# Altium PCB LAB_B3_209_V1.PcbDoc (part 2 of 4)
Units mm, origin at the board's own origin, x right, y up, seen from the top; angles counter-clockwise.
Board outline 104.65 x 97.92 mm, 6 copper layers (L1-SIG, L2-GND, L3-VCC, L4-SIG, L5-GND, L6-SIG), stack 0.63 mm thick; 372 components, 284 nets, 1235 pads, 998 vias.
Unrouted connection lines stored in the file: 2.
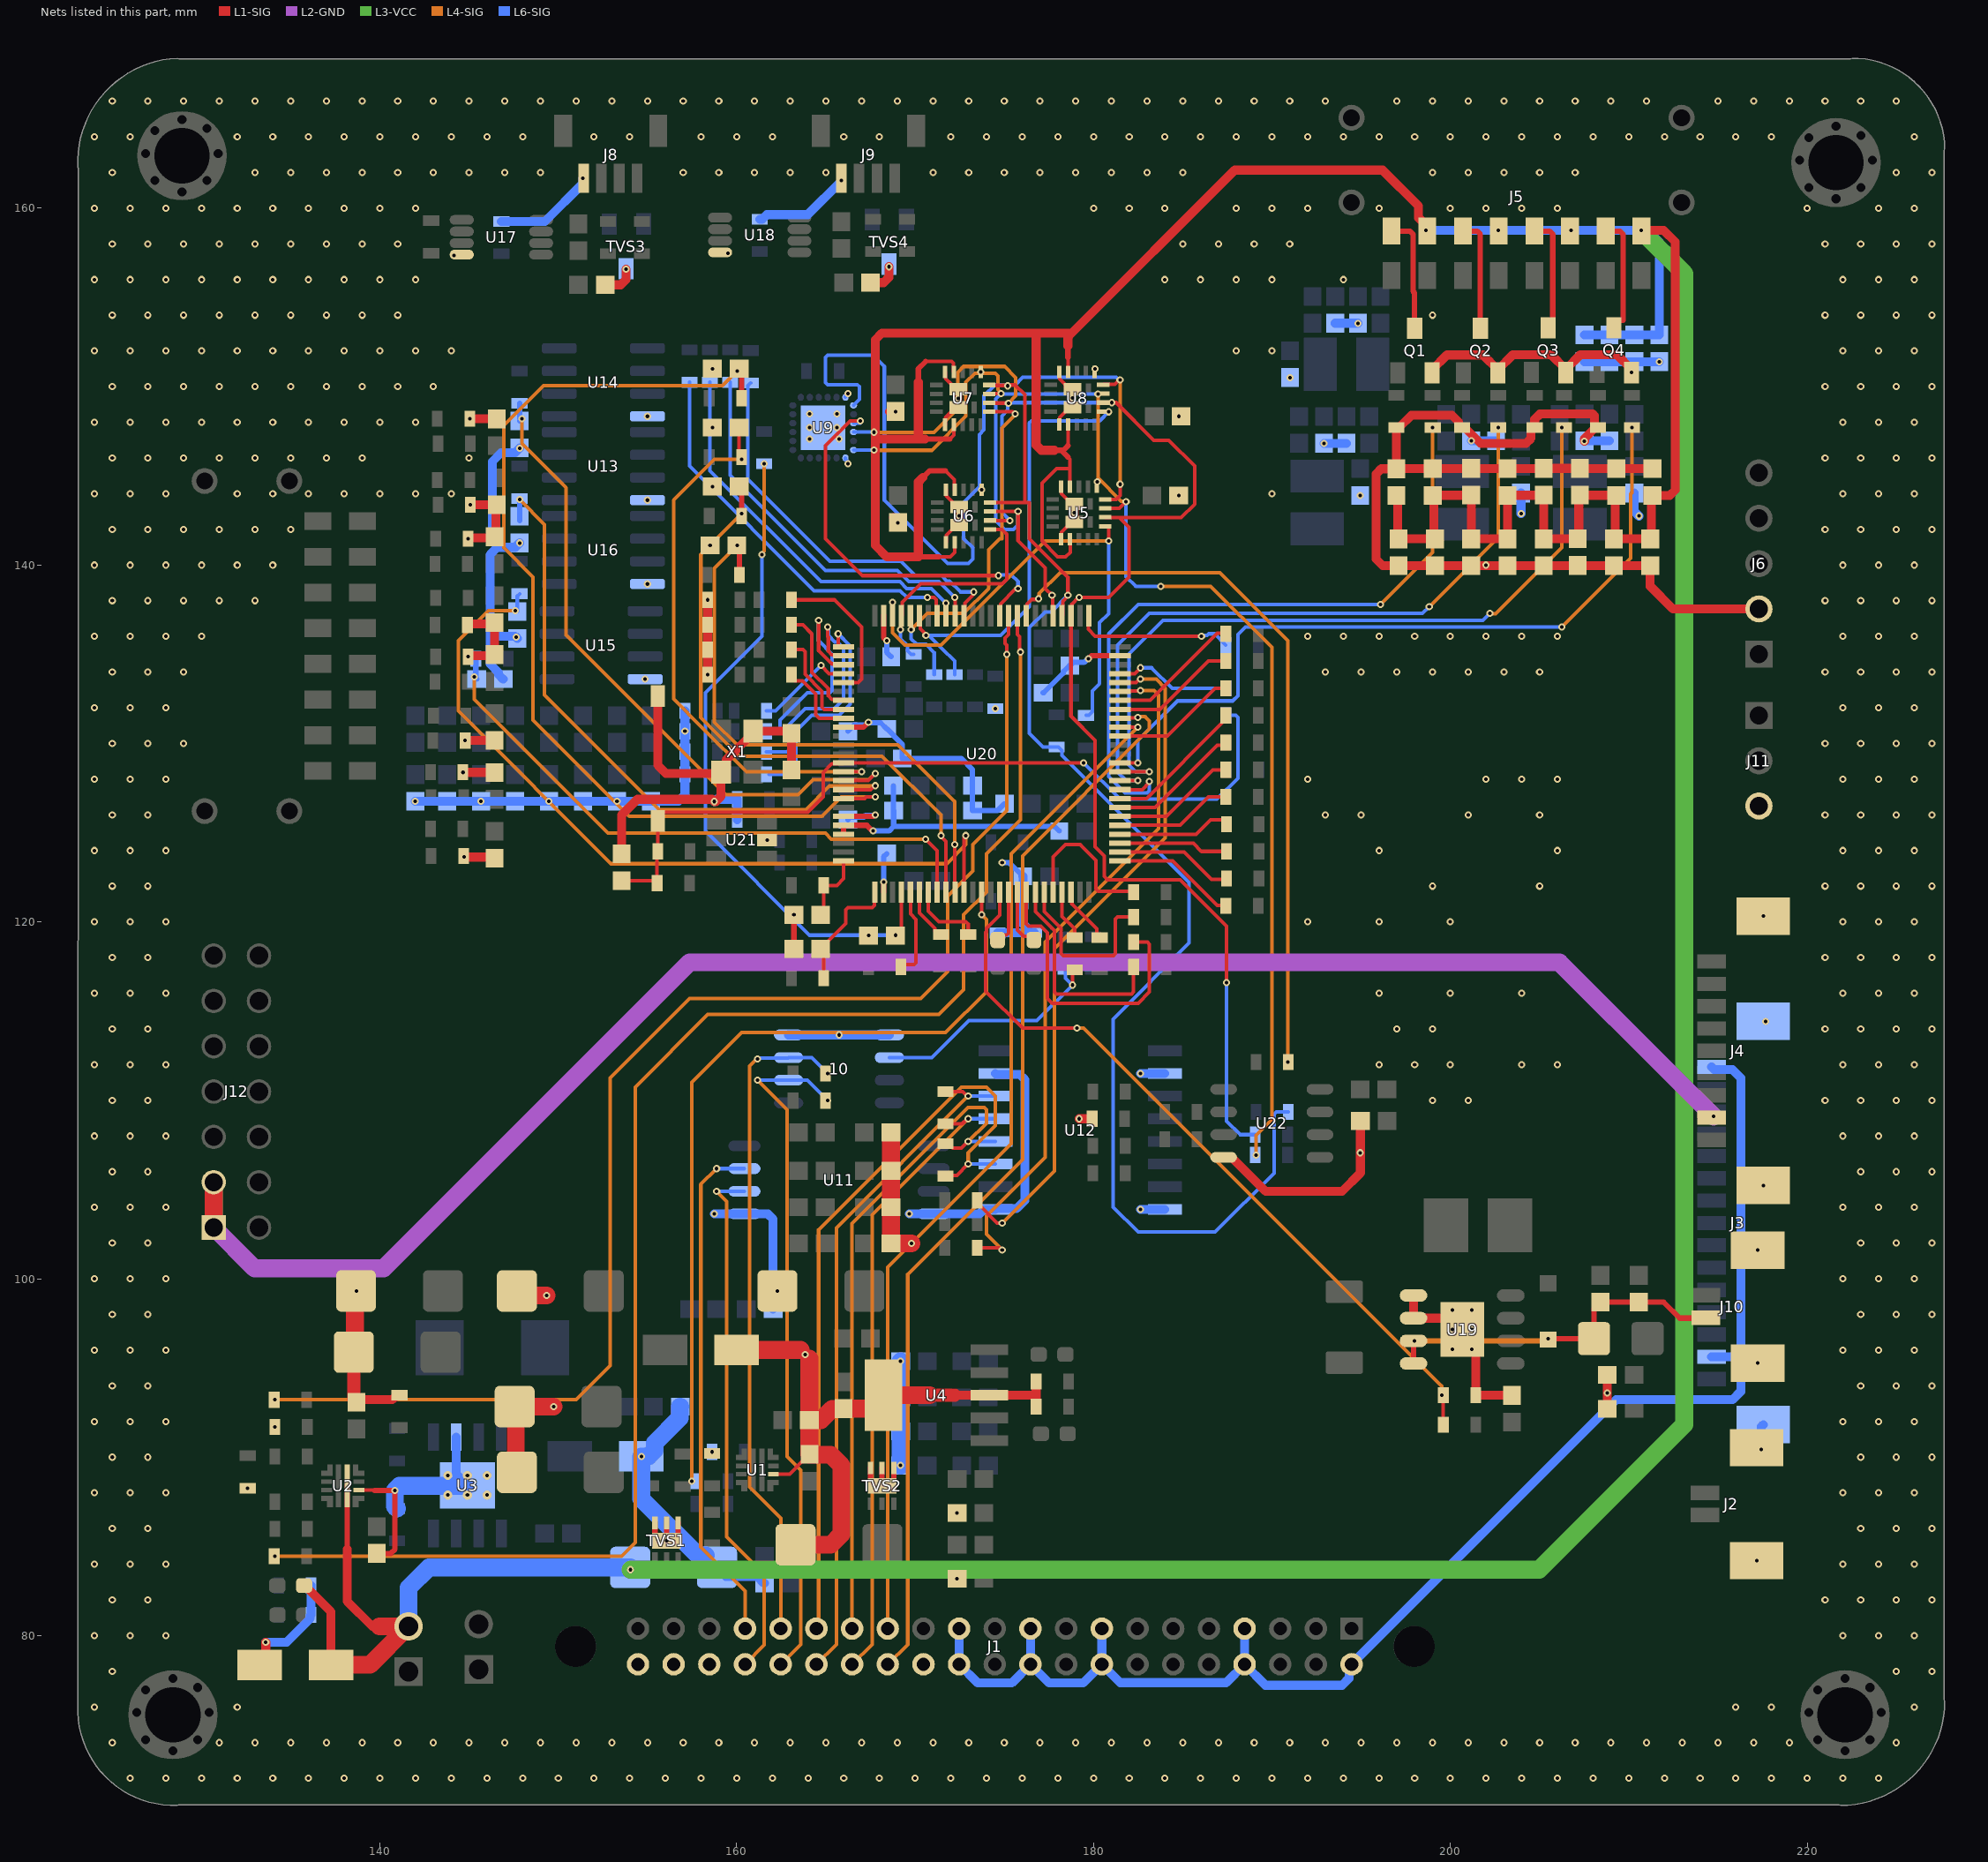
[diagram p6: the nets of this part, all layers, seen from the top]

## Via types
v1: diameter 0.4/0.4/0.4/0.4/0.4/0.4 (per signal layer), hole 0.2, L1-SIG to L6-SIG, tented both sides, 612 vias
v2: diameter 0.4, hole 0.2, L1-SIG to L6-SIG, tented both sides, 205 vias
v3: diameter 0.4, hole 0.2, L1-SIG to L2-GND, tented both sides, 46 vias
v4: diameter 0.4, hole 0.2, L5-GND to L6-SIG, tented both sides, 33 vias
v5: diameter 0.4, hole 0.2, L1-SIG to L4-SIG, tented both sides, 32 vias
v6: diameter 0.4, hole 0.2, L4-SIG to L6-SIG, tented both sides, 28 vias
v7: diameter 0.4, hole 0.2, L1-SIG to L3-VCC, tented both sides, 16 vias
v8: diameter 0.4, hole 0.2, L3-VCC to L6-SIG, tented both sides, 14 vias
v9: diameter 0.5, hole 0.2, L1-SIG to L6-SIG, tented both sides, 6 vias
v10: diameter 0.5, hole 0.2, L1-SIG to L2-GND, tented both sides, 6 vias

## Nets (pads, with @x,y where several pads share a name; then routed paths per layer and width w, separated by ;. In a path a pad name is that pad's centre, name@x,y a point inside that pad or via, vN(x,y) a via of type N, cw(c..) or ccw(c..) an arc to the next point about the centre after c; other vN are vias at no path point) (continued)
GND: 10.4 10.5 BT1.2 C1.2 C2.2 C3.1 C4.1 C8.2 C9.2 C10.1 C11.2 C12.2 C13.2 C14.1 C15.1 C17.2 C18.2 C20.1 C21.1 C22.2 C23.2 C24.2 C25.2 C26.2 C27.2 C28.2 C29.2 C30.1 C31.1 C32.1 C33.1 C37.2 C38.2 C42.1 C43.1 C44.1 C45.1 C46.2 C47.2 C48.2 C49.2 C50.2 C51.2 C52.2 C53.2 C54.1 C55.1 C56.1 C57.1 C61.2 C62.2 C66.1 C67.1 C68.1 C69.1 C70.2 C73.1 C74.1 C77.1 C78.1 C81.1 C82.1 C83.2 C84.2 C86.2 C88.2 C89.2 C90.2 C91.2 C92.2 C93.2 C96.2 C97.2 C98.2 C99.2 C100.2 C102.2 C104.2 C105.2 C106.2 C107.2 C108.2 C110.2 C112.2 C113.2 C114.2 C115.2 C116.2 C119.2 C120.2 C121.2 C122.2 C125.2 C128.2 C129.2 C130.2 C134.2 C135.2 C139.2 C140.2 C141.2 C142.2 C144.2 C145.2 C146.2 C148.2 C149.2 C150.2 C151.2 C152.2 C153.2 C154.2 C156.2 D1.1 D2.1 D3.1 J1.34 J1.40 J1.41 J1.42 J2.3 J2.4 J3.S1 J3.S2 J4.S1 J4.S2 J6.2 J8.1 J9.1 J10.3 J10.4 J11.3 Q1.2 Q2.2 Q3.2 Q4.2 R5.1 R6.2 R7.1 R10.1 R11.1 R16.1 R17.1 R18.1 R19.1 R20.1 R25.1 R26.1 R27.1 R28.1 R33.1 R34.1 R35.1 R36.1 R55.2 R62.1 R63.1 R64.1 R65.1 R70.2 R71.1 R76.1 R77.2 R82.2 R83.1 R88.1 R89.2 R98.1 R101.1 R104.1 R108.1 R109.1 R111.1 R112.2 R119.1 R138.2 TVS1.1 TVS1.2 TVS1.3 TVS1.7 TVS2.1 TVS2.2 TVS2.3 TVS2.7 TVS3.3 TVS4.3 U1.8 U2.8 U3.6 U3.9 U4.3 U4.6 U5.1 U5.5 U5.10 U5.21 U5.22 U6.1 U6.5 U6.10 U6.21 U6.22 U7.1 U7.5 U7.10 U7.21 U7.22 U8.1 U8.5 U8.10 U8.21 U8.22 U9.1 U9.18 U9.25 U11.4 U11.5 U12.2 U12.8 U12.9 U12.15 U13.4 U14.4 U15.4 U16.4 U17.4 U18.4 U19.1 U19.2 U19.9 U20.10 U20.20 U20.27 U20.74 U20.99 U21.2 U22.4 X1.2 X1.4 | length 406.2
  L1-SIG w0.2: U2.8@138.821,88.167 139.67,88.167 139.699,88.138 ; U1.8@162.058,89.056 162.97,89.056 163.647,89.733 163.683,89.733 C3.1@164.083,90.133 ; U7.10@171.671,147.865 171.696,147.89 171.696,148.261 172.267,148.832 U7.22@172.417,148.832 ; U7.5@171.671,150.815 171.696,150.79 171.696,150.461 172.017,150.14 172.017,150.098 172.267,149.848 U7.21@172.417,149.848 ; U6.10@171.72,141.273 171.745,141.298 171.745,141.669 172.316,142.24 U6.22@172.466,142.24 ; U6.5@171.72,144.223 171.745,144.198 171.745,143.869 172.066,143.548 172.066,143.506 172.316,143.256 U6.21@172.466,143.256 ; U8.10@178.07,147.877 178.095,147.902 178.095,148.273 178.666,148.844 U8.22@178.816,148.844 v3(178.816,149.352) 178.816,149.606 178.435,149.987 178.435,150.091 178.416,150.11 178.095,150.431 178.095,150.802 U8.5@178.07,150.827 ; U5.10@178.181,141.449 178.206,141.474 178.206,141.845 178.777,142.416 U5.22@178.927,142.416 ; U5.5@178.181,144.399 178.206,144.374 178.206,144.003 178.777,143.432 U5.21@178.927,143.432
  L1-SIG w0.3: 139.699,88.138 v2(140.842,88.138) 140.842,84.836 140.612,84.606 C14.1@139.826,84.606 ; C9.2@147.551,92.837 C9.2@147.615,92.773 ; C1.2@147.615,89.218 C1.2@147.678,89.154 ; TVS1.3@155.417,86.318 155.417,85.618 155.691,85.344 TVS1.7@156.067,85.344 ; v3(156.067,85.323) TVS1.7@156.067,85.344 ; TVS1.2@156.067,86.521 TVS1.2@156.067,86.318 TVS1.7@156.067,85.344 ; TVS1.1@156.717,86.318 156.717,85.618 156.443,85.344 TVS1.7@156.067,85.344 ; C151.2@162.946,130.69 C151.2@163.068,130.568 ; C152.2@163.207,118.491 v3(163.207,120.396) ; C3.1@164.071,90.17 C3.1@164.083,90.158 ; U20.20@165.986,125.913 167.658,125.913 167.74,125.995 v2(167.767,125.995) ; U20.10@165.986,130.913 167.108,130.913 v2(167.386,131.191) ; TVS2.3@167.497,89.387 167.497,88.687 TVS2.7@167.792,88.392 ; TVS2.2@168.147,89.387 TVS2.7@168.147,88.392 168.502,88.392 168.797,88.687 TVS2.1@168.797,89.387 ; U20.27@168.236,121.663 v2(168.236,122.231) ; U20.99@168.236,137.163 168.236,135.929 v2(168.402,135.763) ; v2(179.705,134.747) 179.732,134.747 179.898,134.913 U20.74@181.486,134.913
  L1-SIG w0.4: U18.4@159.036,157.492 U18.4@159.065,157.521
  L1-SIG w0.5: D3.1@133.255,78.359 133.604,78.708 v2(133.604,79.629) ; C15.1@138.683,93.079 138.826,93.222 140.696,93.222 140.946,93.472 R19.1@141.096,93.472 ; R71.1@144.653,128.385 v3(144.659,128.379) 146.425,128.379 C89.2@146.431,128.373 ; R82.2@144.691,123.686 144.691,123.679 144.741,123.629 146.373,123.629 C105.2@146.431,123.571 ; v3(144.78,130.163) 144.786,130.169 146.425,130.169 C113.2@146.431,130.175 ; R83.1@144.907,136.64 144.907,136.66 144.957,136.71 146.361,136.71 C107.2@146.431,136.779 C97.2@146.431,134.977 146.374,134.92 144.995,134.92 144.945,134.87 v3(144.945,134.862) ; v3(144.945,141.466) 144.945,141.474 144.995,141.524 146.374,141.524 C90.2@146.431,141.581 146.494,141.644 146.494,143.32 146.437,143.377 145.078,143.377 v3(145.072,143.371) ; R76.1@145.034,148.197 v3(145.04,148.191) 146.552,148.191 C99.2@146.558,148.185 ; C120.2@152.63,155.702 153.504,155.702 153.797,155.995 v2(153.797,156.591) ; C149.2@153.543,123.813 153.543,125.984 154.432,126.873 158.623,126.873 v2(158.75,126.746) 158.827,126.746 159.12,127.039 X1.4@159.12,128.39 ; BT1.2@155.575,132.659 155.575,128.778 156.037,128.316 159.046,128.316 X1.4@159.12,128.39 ; v3(158.369,133.858) R34.1@158.369,135.255 R26.1@158.369,136.652 v3(158.369,138.049) ; C151.2@162.946,130.69 X1.2@160.92,130.69 160.92,130.59 159.42,129.09 159.42,128.69 X1.4@159.12,128.39 ; C150.2@163.068,128.512 C151.2@163.068,130.568 ; C119.2@167.501,155.829 168.236,155.829 168.529,156.122 v2(168.529,156.718) ; TVS2.7@167.792,88.392 TVS2.7@168.147,88.392 ; C68.1@168.568,148.59 v3(168.898,148.59) C68.1@168.91,148.602 ; C45.1@168.787,142.666 169.037,142.416 C45.1@169.037,142.391 ; 172.212,93.472 U4.3@174.171,93.472 176.72,93.472 176.784,93.535 ; U7.22@172.417,148.832 v3(172.417,149.34) U7.21@172.417,149.848 ; U6.22@172.466,142.24 U6.21@172.466,143.256 ; R10.1@176.784,92.837 176.784,93.535 ; R20.1@176.784,94.234 176.784,93.535 ; U5.22@178.927,142.416 v3(178.927,142.924) U5.21@178.927,143.432 ; v3(179.197,108.966) R55.2@179.921,108.966 ; U22.4@187.292,106.807 187.742,106.807 189.647,104.902 193.929,104.902 194.957,105.93 194.957,107.049 v3(194.945,107.061) 194.957,107.073 C156.2@194.957,108.839 ; U19.1@197.935,99.06 U19.2@197.935,97.79 199.685,97.79 200.11,98.215 v10(200.11,98.255) ; Q1.2@198.978,150.769 198.978,150.944 199.809,151.774 201.831,151.774 Q2.2@202.661,150.944 ; v10(201.21,96.055) 201.247,96.055 201.422,95.88 R104.1@201.422,93.472 201.428,93.466 203.448,93.466 C125.2@203.454,93.46 ; Q2.2@202.661,150.769 Q2.2@202.661,150.944 ; Q3.2@206.466,150.789 Q3.2@206.466,150.964 ; v2(207.518,146.939) 207.518,147.089 R65.1@208.13,147.701 ; R65.1@208.28,147.701 R65.1@208.13,147.701 ; C154.2@208.8,92.71 C121.2@208.8,94.615 ; v3(210.149,150.789) 210.149,150.964 209.319,151.794 207.297,151.794 Q3.2@206.466,150.964 ; C25.2@211.328,145.403 C49.2@209.296,145.403 209.29,145.409 207.27,145.409 C48.2@207.264,145.415 C24.2@205.232,145.415 205.226,145.409 203.206,145.409 C47.2@203.2,145.403 203.194,145.409 201.174,145.409 C46.2@201.168,145.415 201.162,145.409 199.015,145.409 C53.2@199.009,145.403 199.003,145.397 196.983,145.397 C23.2@196.977,145.391 ; J6.2@217.297,137.541 212.471,137.541 211.201,138.811 C27.2@211.201,139.966 C26.2@209.169,139.966 209.163,139.972 207.143,139.972 C28.2@207.137,139.978 207.131,139.972 205.238,139.972 C29.2@205.232,139.966 C51.2@203.2,139.966 C52.2@201.168,139.966 C50.2@199.136,139.966 C22.2@197.104,139.966 196.203,139.966 195.834,140.335 195.834,145.098 196.127,145.391 C23.2@196.977,145.391 ; C23.2@196.977,145.391 R62.1@196.977,147.701 197.127,147.701 197.827,148.401 200.087,148.401 200.46,148.028 200.46,147.751 200.51,147.701 R63.1@200.66,147.701 200.81,147.701 201.699,146.812 204.231,146.812 204.524,147.105 204.524,147.651 204.574,147.701 R64.1@204.724,147.701 204.724,148.17 205.017,148.463 207.987,148.463 208.08,148.37 208.08,147.751 R65.1@208.13,147.701 ; Q2.2@202.661,150.944 203.512,151.794 205.636,151.794 Q3.2@206.466,150.964
  L1-SIG w0.75: C12.2@138.535,95.885 138.535,93.252 138.683,93.104 C15.1@138.683,93.079 ; 170.815,93.472 172.212,93.472
  L1-SIG w1: C12.2@138.599,95.949 138.599,99.251 C17.2@138.662,99.314 ; C2.2@147.424,99.06 v3(149.351,99.06) ; C9.2@147.551,92.837 v3(149.732,92.837) ; C1.2@147.615,89.218 C9.2@147.615,92.773 ; D1.1@159.987,96.012 163.576,96.012 ; C8.2@163.299,85.09 165.275,85.09 165.861,85.676 165.861,89.547 165.275,90.133 164.083,90.133 C3.1@164.083,90.158 ; C3.1@164.071,90.17 C4.1@164.071,92.075 ; 164.071,95.517 C4.1@164.071,92.075 ; C81.1@168.644,108.204 C77.1@168.644,106.045 C82.1@168.644,104.013 C78.1@168.644,101.981 v3(169.799,101.981) ; 170.815,93.472 U4.6@168.221,93.472 168.221,93.272 167.671,92.722 C21.1@165.989,92.722 165.989,92.697 165.341,92.697 164.719,92.075 C4.1@164.071,92.075
  L6-SIG w0.2: U9.1@166.096,146.001 166.096,145.935 166.205,145.827 166.205,145.707 v4(166.243,145.669) ; U9.18@166.096,149.401 166.096,149.442 166.243,149.589 v4(166.243,149.606)
  L6-SIG w0.3: U3.9@144.873,88.392 U3.9@144.906,88.425 ; C144.2@166.231,125.73 166.383,125.882 167.115,125.882 167.121,125.876 167.221,125.976 167.748,125.976 v2(167.767,125.995) ; C148.2@166.231,130.683 166.581,131.033 167.201,131.033 167.359,131.191 v2(167.386,131.191) 167.413,131.191 167.444,131.16 168.064,131.16 C145.2@168.414,130.81 168.439,130.81 168.789,130.46 168.789,130.435 169.279,129.945 C128.2@169.279,129.159 172.593,129.159 173.216,128.536 C142.2@173.216,127.635 C141.2@173.216,126.238 ; v2(168.236,122.231) 168.236,123.647 C129.2@168.414,123.825 ; v2(168.402,135.763) 168.402,135.116 C146.2@168.656,134.862 ; C141.2@173.241,126.238 174.612,126.238 174.993,126.619 C140.2@175.018,126.619 ; v4(174.879,123.317) 175.272,123.317 C135.2@176.034,122.555 ; C134.2@177.177,132.842 177.202,132.842 178.302,133.942 178.302,134.016 178.652,134.366 C130.2@178.677,134.366 178.856,134.545 179.476,134.545 179.678,134.747 v2(179.705,134.747)
  L6-SIG w0.5: v2(133.604,79.629) 134.77,79.629 136.094,80.953 136.094,81.103 R5.1@136.144,81.153 R16.1@136.144,82.804 ; v4(141.986,126.758) C86.2@143.764,126.758 v4(145.669,126.758) C93.2@147.574,126.758 v4(149.479,126.758) C102.2@151.384,126.758 v4(153.289,126.758) C112.2@155.194,126.758 156.73,126.758 157.099,127.127 R33.1@157.099,128.27 R35.1@157.099,129.54 v4(157.099,130.683) R27.1@157.099,131.826 ; U3.6@144.271,91.125 144.271,89.06 U3.9@144.906,88.425 ; 146.685,141.224 146.304,141.605 146.304,145.796 146.803,146.295 147.578,146.295 v4(147.828,146.545) C98.2@147.828,146.57 ; R98.1@146.812,159.258 149.248,159.258 151.384,161.394 v2(151.384,161.671) ; C106.2@146.927,133.604 146.902,133.604 146.652,133.854 146.652,133.972 146.177,134.447 146.177,136.525 ; C116.2@147.701,135.89 147.574,136.017 146.685,136.017 146.177,136.525 ; v4(147.828,141.236) 147.582,140.99 146.578,140.99 146.177,140.589 146.177,136.525 ; C13.2@158.278,84.48 158.278,84.419 159.385,83.312 161.15,83.312 161.531,82.931 C74.1@161.556,82.931 ; v4(158.75,103.632) U11.5@160.435,103.632 161.747,103.632 162.04,103.339 C73.1@162.04,98.298 ; v2(158.75,126.746) 158.877,126.873 R109.1@160.02,126.873 ; R108.1@160.02,125.73 R109.1@160.02,126.723 ; R101.1@161.29,159.385 161.44,159.385 161.694,159.639 163.98,159.639 165.862,161.521 v2(165.862,161.544) ; 10.4@162.91,113.665 10.5@168.56,113.665 ; C37.2@169.176,89.535 C37.2@169.182,89.541 ; v4(169.672,103.632) U11.4@171.035,103.632 173.594,103.632 173.848,103.886 U12.9@174.498,103.886 174.548,103.936 175.691,103.936 176.149,104.394 176.149,111.163 175.856,111.456 174.548,111.456 U12.15@174.498,111.506 ; R111.1@174.625,119.38 174.644,119.399 176.638,119.399 R112.2@176.657,119.418 176.507,119.418 176.06,119.865 R138.2@176.06,121.158 176.047,121.171 176.047,122.542 C135.2@176.034,122.555 ; v4(182.626,103.886) U12.8@183.998,103.886 ; v4(182.626,111.506) U12.2@183.998,111.506 ; v2(192.913,146.812) C30.1@192.913,146.824 C31.1@194.183,146.824 ; C57.1@193.548,153.555 C56.1@194.818,153.555 ; v4(201.168,146.963) C32.1@202.565,146.963 ; v2(203.962,142.875) C43.1@203.962,144.03 ; C54.1@207.518,146.963 C55.1@208.915,146.963 ; C84.2@207.518,151.396 C83.2@208.915,151.396 C139.2@210.312,151.396 v4(211.709,151.396) ; C66.1@210.312,144.03 210.312,143.002 v2(210.566,142.748) ; v2(217.424,90.424) 217.424,91.705 J3.S2@217.543,91.824
  L6-SIG w1: R11.1@140.969,87.122 140.842,87.249 v2(140.842,88.138) 141.096,88.392 U3.9@144.873,88.392 ; C10.1@156.832,92.837 156.807,92.837 156.807,92.197 155.403,90.793 155.403,90.393 155.053,90.043 v4(154.653,90.043) 154.653,87.662 157.835,84.48 C13.2@158.278,84.48 ; C37.2@169.176,89.535 v4(169.188,89.535) C38.2@169.188,91.44 C62.2@169.188,93.345 v4(169.188,95.377)
  other v1: 126,72 128,72 130,72 132,72 134,72 136,72 138,72 140,72 142,72 144,72 146,72 148,72 150,72 152,72 154,72 156,72 158,72 160,72 162,72 164,72 166,72 168,72 170,72 172,72 174,72 176,72 178,72 180,72 182,72 184,72 186,72 188,72 190,72 192,72 194,72 196,72 198,72 200,72 202,72 204,72 206,72 208,72 210,72 212,72 214,72 216,72 218,72 220,72 222,72 224,72 125,74 131,74 133,74 135,74 137,74 139,74 141,74 143,74 145,74 147,74 149,74 151,74 153,74 155,74 157,74 159,74 161,74 163,74 165,74 167,74 169,74 171,74 173,74 175,74 177,74 179,74 181,74 183,74 185,74 187,74 189,74 191,74 193,74 195,74 197,74 199,74 201,74 203,74 205,74 207,74 209,74 211,74 213,74 215,74 217,74 219,74 225,74 124,76 132,76 216,76 218,76 226,76 125,78 225,78 227,78 124,80 126,80 128,80 222,80 224,80 226,80 125,82 127,82 221,82 223,82 225,82 227,82 124,84 126,84 128,84 222,84 224,84 226,84 125,86 127,86 223,86 225,86 227,86 124,88 126,88 128,88 222,88 224,88 226,88 125,90 127,90 223,90 225,90 227,90 124,92 126,92 128,92 222,92 224,92 226,92 125,94 127,94 223,94 225,94 227,94 124,96 126,96 128,96 222,96 224,96 226,96 125,98 127,98 223,98 225,98 227,98 124,100 126,100 128,100 222,100 224,100 226,100 125,102 127,102 223,102 225,102 227,102 124,104 126,104 128,104 222,104 224,104 226,104 125,106 127,106 223,106 225,106 227,106 124,108 126,108 128,108 222,108 224,108 226,108 125,110 127,110 199,110 201,110 221,110 223,110 225,110 227,110 124,112 126,112 128,112 196,112 198,112 200,112 204,112 206,112 222,112 224,112 226,112 125,114 127,114 197,114 199,114 221,114 223,114 225,114 227,114 124,116 126,116 128,116 196,116 200,116 204,116 222,116 224,116 226,116 125,118 127,118 221,118 223,118 225,118 227,118 124,120 126,120 128,120 192,120 196,120 200,120 222,120 224,120 226,120 125,122 127,122 199,122 205,122 221,122 223,122 225,122 227,122 124,124 126,124 128,124 196,124 206,124 222,124 224,124 226,124 125,126 127,126 193,126 195,126 201,126 205,126 221,126 223,126 225,126 227,126 124,128 126,128 128,128 192,128 202,128 204,128 206,128 222,128 224,128 226,128 125,130 127,130 129,130 221,130 223,130 225,130 227,130 124,132 126,132 128,132 222,132 224,132 226,132 125,134 127,134 129,134 193,134 195,134 197,134 199,134 201,134 203,134 205,134 221,134 223,134 225,134 227,134 124,136 126,136 128,136 130,136 192,136 194,136 196,136 198,136 200,136 202,136 204,136 206,136 222,136 224,136 226,136 125,138 127,138 129,138 131,138 133,138 221,138 223,138 225,138 227,138 124,140 126,140 128,140 130,140 132,140 134,140 202,140 222,140 224,140 226,140 125,142 127,142 129,142 131,142 133,142 135,142 221,142 223,142 225,142 227,142 124,144 126,144 128,144 132,144 134,144 136,144 138,144 140,144 142,144 144,144 190,144 222,144 224,144 226,144 125,146 127,146 129,146 131,146 133,146 135,146 137,146 139,146 145,146 221,146 223,146 225,146 227,146 124,148 126,148 128,148 130,148 132,148 134,148 136,148 138,148 140,148 142,148 222,148 224,148 226,148 125,150 127,150 129,150 131,150 133,150 135,150 137,150 139,150 141,150 143,150 221,150 223,150 225,150 227,150 124,152 126,152 128,152 130,152 132,152 134,152 136,152 138,152 140,152 142,152 144,152 188,152 190,152 222,152 224,152 226,152 125,154 127,154 129,154 131,154 133,154 135,154 137,154 139,154 141,154 199,154 221,154 223,154 225,154 227,154 124,156 126,156 128,156 130,156 132,156 134,156 136,156 138,156 140,156 142,156 184,156 186,156 188,156 190,156 194,156 222,156 224,156 226,156 125,158 127,158 129,158 131,158 133,158 135,158 137,158 139,158 141,158 185,158 187,158 189,158 191,158 221,158 223,158 225,158 227,158 124,160 126,160 128,160 130,160 132,160 134,160 136,160 138,160 140,160 142,160 180,160 182,160 184,160 188,160 190,160 192,160 196,160 200,160 202,160 204,160 206,160 220,160 224,160 226,160 125,162 133,162 135,162 137,162 139,162 141,162 143,162 145,162 147,162 149,162 157,162 159,162 161,162 163,162 165,162 171,162 173,162 175,162 177,162 179,162 181,162 183,162 185,162 199,162 201,162 203,162 205,162 207,162 225,162 227,162 124,164 126,164 132,164 134,164 136,164 138,164 140,164 142,164 144,164 146,164 148,164 152,164 154,164 158,164 160,164 162,164 166,164 168,164 172,164 174,164 176,164 178,164 180,164 182,164 184,164 186,164 188,164 190,164 192,164 194,164 196,164 198,164 200,164 202,164 204,164 206,164 208,164 210,164 212,164 214,164 216,164 218,164 226,164 125,166 127,166 129,166 131,166 133,166 135,166 137,166 139,166 141,166 143,166 145,166 147,166 149,166 151,166 153,166 155,166 157,166 159,166 161,166 163,166 165,166 167,166 169,166 171,166 173,166 175,166 177,166 179,166 181,166 183,166 185,166 187,166 189,166 191,166 193,166 197,166 199,166 201,166 203,166 205,166 207,166 209,166 211,166 215,166 217,166 219,166 221,166 223,166 225,166
  other v2: 217.17,84.201 158.622,90.297 134.112,91.694 217.223,95.27 163.83,95.758 217.223,101.6 158.75,103.632 217.543,105.226 217.678,114.427 217.543,120.326 194.945,143.891 191.008,150.495 194.818,153.543
  other v3: 172.351,83.185 172.351,86.868 132.588,88.265 208.788,93.599 138.684,99.314 162.284,99.314 167.391,119.234 144.716,123.654 161.699,124.587 158.508,141.097 169.037,142.367 172.466,142.748 184.785,143.891 173.72,144.223 158.635,144.399 180.213,144.653 158.635,147.701 184.785,148.336 173.671,150.815 158.635,151.003 180.086,151.003 144.145,157.353 159.512,157.48
  other v4: 165.735,113.665 174.498,131.953 154.87,133.604 147.637,135.953 154.997,138.938 154.997,143.637 164.084,147.066 165.735,147.066 164.084,147.701 165.608,147.701 154.997,148.336 164.084,148.463 165.608,148.463
  other v9: 143.806,87.875 144.906,87.875 146.006,87.875 143.806,88.975 144.906,88.975 146.006,88.975
  other v10: 200.11,96.055 200.11,97.155 201.21,97.155 201.21,98.255
GND_12_EXP: J4.2 J12.01 J12.03 | length 100.8
  L1-SIG w1: J12.01@130.683,102.87 J12.03@130.683,105.41
  L2-GND w1: J12.01@130.683,102.87 132.969,100.584 140.208,100.584 157.353,117.729 206.121,117.729 212.471,111.379 v3(214.757,109.093)
  L3-VCC w1: J12.01@130.683,102.87 J12.03@130.683,105.41
GND_CAM: J1.4 J1.8 J1.10 J1.12 J1.22 J1.25 J1.29 J1.31 J1.33 J3.1 J3.14 | length 83.4
  L6-SIG w0.5: J1.12@172.466,80.391 J1.33@172.466,78.391 173.514,77.343 175.418,77.343 J1.31@176.466,78.391 ; J1.10@176.466,80.391 J1.31@176.466,78.391 ; J1.8@180.466,80.391 J1.29@180.466,78.391 ; J1.4@188.468,80.518 188.466,80.516 J1.4@188.466,80.391 J1.25@188.466,78.391 ; J3.14@214.643,95.624 216.115,95.624 216.281,95.458 ; J3.1@214.643,111.874 214.793,111.724 215.809,111.724 216.281,111.252 216.281,95.458 ; J1.31@176.466,78.391 177.514,77.343 179.418,77.343 J1.29@180.466,78.391 ; J1.29@180.466,78.391 181.495,77.362 187.437,77.362 J1.25@188.466,78.391 ; J1.25@188.466,78.391 189.641,77.216 193.929,77.216 194.321,77.608 194.321,78.246 209.293,93.218 215.821,93.218 216.281,93.678 216.281,95.458
HEATER_1_A: C13.1 C22.1 C23.1 C24.1 C25.1 C26.1 C27.1 C28.1 C29.1 C46.1 C47.1 C48.1 C49.1 C50.1 C51.1 C52.1 C53.1 C83.1 C84.1 C122.1 C139.1 D3.2 DS3.A J5.10 J5.12 J5.14 J5.16 JP2.2 U2.6 U5.4 U5.11 U6.4 U6.11 U7.4 U7.11 U8.4 U8.11 | length 335